# KiCad board 2choc2flat-extmcu-iso-rgb.kicad_pcb (continued)
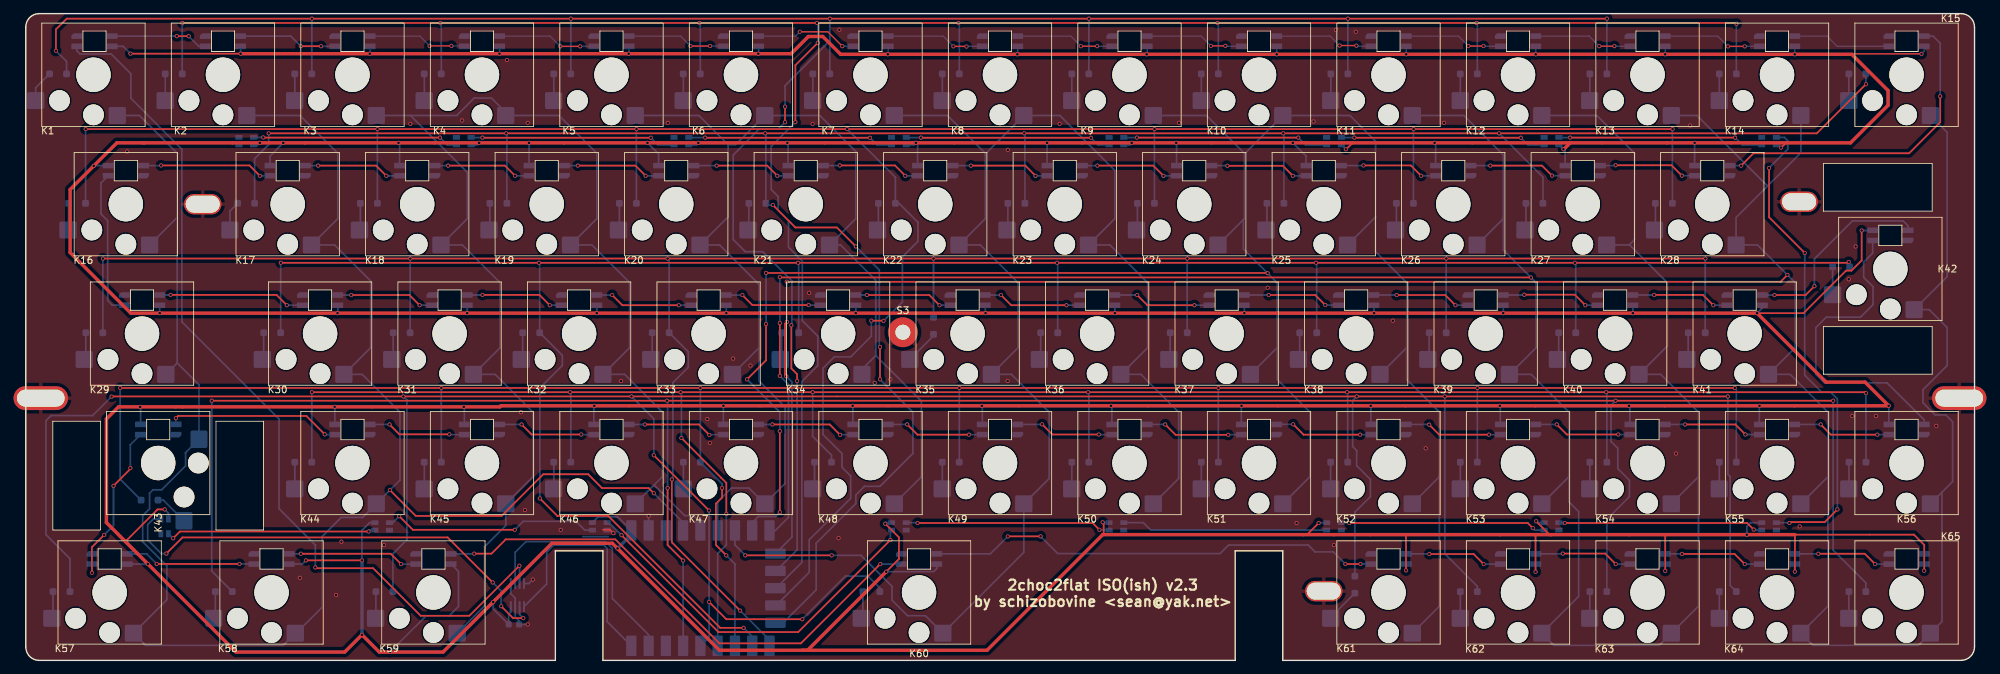
[diagram p0: board, top side]
## Routing (per net, layer and track width the routed paths; a pad name or vN(x,y) marks a point on that pad's centre or on a via; arc(x,y) is an arc through that point) (continued)
Net-(D52-A): length 3.9
  Bottom w0.25: K52.2 191.94,25.26 D52.2
Net-(D53-A): length 3.9
  Bottom w0.25: K53.2 211.01,25.26 D53.2
Net-(D54-A): length 3.9
  Bottom w0.25: K54.2 230.06,25.26 D54.2
Net-(D55-A): length 3.9
  Bottom w0.25: D55.2 249.11,25.26 K55.2
Net-(D56-A): length 3.9
  Bottom w0.25: D56.2 268.18,25.28 K56.2
Net-(D57-A): length 4
  Bottom w0.25: D57.2 4,6.37 K57.2
Net-(D58-A): length 4
  Bottom w0.25: D58.2 27.88,6.43 K58.2
Net-(D59-A): length 3.9
  Bottom w0.25: K59.2 51.5,6.24 D59.2
Net-(D60-A): length 4
  Bottom w0.25: K60.2 123.13,6.43 D60.2
Net-(D61-A): length 5.2
  Bottom w0.25: D61.2 191.95,6.35 K61.2
Net-(D62-A): length 3.9
  Bottom w0.25: K62.2 211.01,6.21 D62.2
Net-(D63-A): length 3.9
  Bottom w0.25: K63.2 230.06,6.21 D63.2
Net-(D64-A): length 3.9
  Bottom w0.25: D64.2 249.11,6.21 K64.2
Net-(D65-A): length 3.9
  Bottom w0.25: D65.2 268.16,6.21 K65.2
Net-(LD1-DOUT): length 14.3
  Top w0.25: v1(22.2,91.88) v1(23.95,91.88)
  Bottom w0.25: 26.4,90.38 25.45,90.38 v1(23.95,91.88) ; LD1.2 22.2,91.88 v1(22.2,91.88)
Net-(LD2-DOUT): length 14.5
  Top w0.25: v1(40.45,90.4) v1(43.42,90.4)
  Bottom w0.25: v1(43.42,90.4) 43.45,90.38 LD3.4 ; v1(40.45,90.4) 38.97,91.88 LD2.2 31.62,91.91
Net-(LD3-DOUT): length 14.5
  Top w0.2: v1(59.4,90.45) v1(62.6,90.45)
  Bottom w0.2: v1(62.6,90.45) 64.43,90.45 LD4.4 ; v1(59.4,90.45) 57.97,91.88 LD3.2
Net-(LD4-DOUT): length 14.5
  Top w0.2: v1(78.62,90.38) v1(81.55,90.38)
  Bottom w0.2: v1(78.62,90.38) 77.12,91.88 69.7,91.88 ; LD5.4 81.55,90.38 v1(81.55,90.38)
Net-(LD5-DOUT): length 14.5
  Top w0.2: v1(97.77,90.43) v1(100.65,90.43)
  Bottom w0.2: LD5.2 96.32,91.88 v1(97.77,90.43) ; LD6.4 102.55,90.43 v1(100.65,90.43)
Net-(LD6-DOUT): length 15
  Top w0.2: v1(120.1,90.4) 117.97,92.53 v1(113.85,92.53)
  Bottom w0.2: LD6.2 113.2,91.88 v1(113.85,92.53) ; v1(120.1,90.4) 120.12,90.38 121.65,90.38
Net-(LD7-DOUT): length 14.5
  Top w0.2: v1(138.38,90.35) 138.35,90.38 v1(136.45,90.38)
  Bottom w0.2: v1(136.45,90.38) 134.95,91.88 LD7.2 ; LD8.4 138.41,90.38 v1(138.38,90.35)
Net-(LD8-DOUT): length 14.5
  Top w0.2: v1(155.2,90.4) v1(157.6,90.4)
  Bottom w0.2: LD8.2 153.72,91.88 v1(155.2,90.4) ; v1(157.6,90.4) 157.62,90.38 159.75,90.38
Net-(LD10-DIN): length 14.5
  Top w0.2: v1(174.33,90.45) v1(176.45,90.45)
  Bottom w0.2: LD9.2 172.9,91.88 v1(174.33,90.45) ; v1(176.45,90.45) 176.52,90.38 LD10.4
Net-(LD10-DOUT): length 14.5
  Top w0.2: v1(195.73,90.48) 195.7,90.5 v1(193.25,90.5)
  Bottom w0.2: v1(195.73,90.48) 195.82,90.38 LD11.4 ; LD10.2 191.87,91.88 v1(193.25,90.5)
Net-(LD11-DOUT): length 14.5
  Top w0.2: v1(212.2,90.43) v1(214.43,90.43)
  Bottom w0.2: v1(214.43,90.43) 214.47,90.38 LD12.4 ; v1(212.2,90.43) 210.75,91.88 LD11.2
Net-(LD12-DOUT): length 14.5
  Top w0.2: v1(231.45,90.4) v1(233.68,90.4)
  Bottom w0.2: v1(233.68,90.4) 233.7,90.38 LD13.4 ; v1(231.45,90.4) 229.97,91.88 222.1,91.88
Net-(LD13-DOUT): length 14.5
  Top w0.2: v1(250.38,90.38) v1(252.85,90.38)
  Bottom w0.2: LD14.4 252.86,90.38 v1(252.85,90.38) ; v1(250.38,90.38) 248.87,91.88 LD13.2
Net-(LD14-DOUT): length 14.5
  Bottom w0.2: LD15.4 266.44,90.38 264.94,91.88 260.2,91.88
Net-(LD15-DOUT): length 48
  Top w0.25: v1(281.6,83.03) 281.6,79.22 277.03,74.64 254.14,74.64 v1(252.32,72.82)
  Bottom w0.25: v1(281.6,83.03) 281.6,90.85 280.57,91.88 279.25,91.88 ; v1(252.32,72.82) 252.31,72.83 LD28.4
Net-(LD16-DIN): length 19.3
  Top w0.25: v1(19.9,72.85) 32.9,72.85 v1(34.42,71.33)
  Bottom w0.25: v1(19.9,72.85) 19.88,72.83 LD16.4 ; v1(34.42,71.33) 35.92,71.33 LD17.2
Net-(LD16-DOUT): length 22
  Bottom w0.25: LD29.4 12.72,52.28 12.05,52.95 12.05,64.7 11.05,65.7 11.05,70.27 LD16.2
Net-(LD17-DIN): length 14.5
  Top w0.25: v1(53.02,71.33) 51.52,72.83 v1(43,72.83)
  Bottom w0.25: LD17.4 42.99,72.83 v1(43,72.83) ; v1(53.02,71.33) 54.97,71.33 LD18.2
Net-(LD18-DIN): length 14.5
  Top w0.25: v1(71.97,71.33) 70.47,72.83 v1(62.12,72.83)
  Bottom w0.25: LD18.4 62.12,72.83 v1(62.12,72.83) ; LD19.2 74.02,71.33 v1(71.97,71.33)
Net-(LD19-DIN): length 14.5
  Top w0.25: v1(81.2,72.83) 89.67,72.83 v1(91.17,71.33)
  Bottom w0.25: v1(81.2,72.83) 81.19,72.83 LD19.4 ; LD20.2 93.07,71.33 v1(91.17,71.33)
Net-(LD20-DIN): length 14.5
  Top w0.25: v1(101.62,72.83) 109.05,72.83 v1(110.55,71.33)
  Bottom w0.25: LD21.2 112.12,71.33 v1(110.55,71.33) ; LD20.4 101.62,72.83 v1(101.62,72.83)
Net-(LD21-DIN): length 14.5
  Top w0.25: v1(129.38,71.33) 127.85,72.85 v1(119.72,72.85)
  Bottom w0.25: LD21.4 119.7,72.83 v1(119.72,72.85) ; v1(129.38,71.33) 131.17,71.33 LD22.2
Net-(LD22-DIN): length 14.5
  Top w0.25: v1(148.53,71.33) 147.03,72.83 v1(139.03,72.83)
  Bottom w0.25: LD23.2 150.22,71.33 v1(148.53,71.33) ; LD22.4 139.02,72.83 v1(139.03,72.83)
Net-(LD23-DIN): length 14.5
  Top w0.25: v1(167.35,71.33) 165.85,72.83 v1(157.62,72.83)
  Bottom w0.25: v1(167.35,71.33) 169.27,71.33 LD24.2 ; v1(157.62,72.83) 157.62,72.83 LD23.4
Net-(LD24-DIN): length 14.5
  Top w0.25: v1(186.38,71.33) 184.9,72.8 v1(176.75,72.8)
  Bottom w0.25: LD25.2 188.32,71.33 v1(186.38,71.33) ; v1(176.75,72.8) 176.72,72.83 LD24.4
Net-(LD25-DIN): length 14.5
  Top w0.25: v1(205.25,71.33) 203.73,72.85 v1(196.78,72.85)
  Bottom w0.25: LD26.2 207.37,71.33 v1(205.25,71.33) ; LD25.4 196.76,72.83 v1(196.78,72.85)
Net-(LD26-DIN): length 14.5
  Top w0.25: v1(224.5,71.35) 223.03,72.83 v1(215.43,72.83)
  Bottom w0.25: v1(215.43,72.83) 215.42,72.83 LD26.4 ; v1(224.5,71.35) 226.41,71.35 LD27.2
Net-(LD27-DIN): length 14.5
  Top w0.25: v1(243.6,71.35) 242.08,72.88 v1(233.85,72.88)
  Bottom w0.25: v1(243.6,71.35) 245.46,71.35 LD28.2 ; v1(233.85,72.88) 233.81,72.83 LD27.4
Net-(LD29-DOUT): length 21.6
  Top w0.25: v1(21.3,53.8) 36.88,53.8 v1(38.4,52.28)
  Bottom w0.25: v1(21.3,53.8) 21.28,53.78 LD29.2 ; LD30.4 40.68,52.28 v1(38.4,52.28)
Net-(LD30-DOUT): length 14.5
  Top w0.25: v1(47.88,53.78) 56.42,53.78 v1(57.92,52.28)
  Bottom w0.25: v1(57.92,52.28) 59.73,52.28 LD31.4 ; v1(47.88,53.78) 47.87,53.78 LD30.2
Net-(LD31-DOUT): length 14.5
  Top w0.25: v1(67.17,53.8) 75.55,53.8 v1(77.08,52.28)
  Bottom w0.25: LD32.4 77.08,52.28 v1(77.08,52.28) ; v1(67.17,53.8) 67.16,53.78 LD31.2
Net-(LD32-DOUT): length 14.5
  Top w0.25: v1(96.05,52.28) 87.75,52.28 v1(86.25,53.78)
  Bottom w0.25: v1(86.25,53.78) 83.99,53.78 LD32.2 ; LD33.4 96.05,52.28 v1(96.05,52.28)
Net-(LD33-DOUT): length 14.5
  Top w0.25: v1(115.15,52.3) 106.88,52.3 v1(105.4,53.78)
  Bottom w0.25: v1(105.4,53.78) 103.04,53.78 LD33.2 ; LD34.4 115.17,52.28 v1(115.15,52.3)
Net-(LD34-DOUT): length 14.5
  Top w0.25: v1(123.72,53.78) 132.9,53.78 v1(134.4,52.28)
  Bottom w0.25: LD35.4 135.93,52.28 v1(134.4,52.28) ; LD34.2 123.72,53.78 v1(123.72,53.78)
Net-(LD35-DOUT): length 14.5
  Top w0.25: v1(143.45,53.78) 144.95,52.28 v1(153.08,52.28)
  Bottom w0.25: v1(153.08,52.28) 153.08,52.28 LD36.4 ; v1(143.45,53.78) 141.14,53.78 LD35.2
Net-(LD36-DOUT): length 14.5
  Top w0.25: v1(171.9,52.28) 164.98,52.28 v1(163.48,53.78)
  Bottom w0.25: v1(163.48,53.78) 163.47,53.78 LD36.2 ; v1(171.9,52.28) 171.91,52.28 LD37.4
Net-(LD37-DOUT): length 14.5
  Top w0.25: v1(182.83,53.78) 189.68,53.78 v1(191.15,52.3)
  Bottom w0.25: v1(182.83,53.78) 182.82,53.78 LD37.2 ; LD38.4 193.07,52.3 v1(191.15,52.3)
Net-(LD38-DOUT): length 14.5
  Top w0.25: v1(210.3,52.28) 208.8,53.78 v1(201.65,53.78)
  Bottom w0.25: v1(201.65,53.78) 201.65,53.78 LD38.2 ; LD39.4 212.13,52.28 v1(210.3,52.28)
Net-(LD39-DOUT): length 14.5
  Top w0.25: v1(220.43,53.83) 227.85,53.83 v1(229.4,52.28)
  Bottom w0.25: v1(229.4,52.28) 231.18,52.28 LD40.4 ; LD39.2 220.38,53.78 v1(220.43,53.83)
Net-(LD40-DOUT): length 14.5
  Top w0.25: v1(248.23,52.28) 246.7,53.8 v1(239.53,53.8)
  Bottom w0.25: v1(239.53,53.8) 239.51,53.78 LD40.2 ; v1(248.23,52.28) 250.23,52.28 LD41.4
Net-(LD41-DOUT): length 29.3
  Top w0.25: v1(263.1,55.08) 261.8,53.78 v1(257.23,53.78)
  Bottom w0.25: v1(263.1,55.08) 263.1,59.1 268.68,64.68 276.16,64.68 276.87,63.97 LD42.4 ; v1(257.23,53.78) 255.44,53.78 LD41.2
Net-(LD42-DOUT): length 46.6
  Bottom w0.25: LD42.2 271.67,59.94 270.35,58.63 270.35,56.38 271.73,55 271.73,52.38 269.86,50.51 264.84,50.51 263.31,48.99 263.31,42.13 264.59,40.86 272.49,40.86 272.5,40.85 273.79,40.85 279.25,35.39 279.25,34.73
Net-(LD43-DIN): length 25.6
  Top w0.25: v1(22.07,35.65) 22.4,35.98 41.27,35.98 v1(43.97,33.28)
  Bottom w0.25: v1(22.07,35.65) LD43.4 ; LD44.2 44.02,33.23 v1(43.97,33.28)
Net-(LD43-DOUT): length 24.6
  Top w0.25: v1(11.53,18.48) 9.73,16.68 v1(9.73,12.9) ; v1(15.38,28.3) 15.38,28.18 v1(12.9,25.7)
  Bottom w0.25: v1(9.73,12.9) 9.73,14.17 LD57.4 ; v1(12.9,25.7) 12.9,19.85 v1(11.53,18.48) ; LD43.2 15.38,31.73 v1(15.38,28.3)
Net-(LD44-DIN): length 14.5
  Top w0.25: v1(53.5,34.73) 54.95,33.28 v1(62.3,33.28)
  Bottom w0.25: v1(53.5,34.73) 53.49,34.73 LD44.4 ; LD45.2 62.34,33.23 v1(62.3,33.28)
Net-(LD45-DIN): length 14.5
  Top w0.25: v1(81.7,33.25) 74.4,33.25 v1(72.92,34.73)
  Bottom w0.25: LD46.2 81.72,33.23 v1(81.7,33.25) ; v1(72.92,34.73) 72.92,34.73 69.7,34.73
Net-(LD46-DIN): length 14.5
  Top w0.25: v1(100.55,33.18) 99,34.73 v1(91.08,34.73)
  Bottom w0.25: v1(100.55,33.18) 100.61,33.23 LD47.2 ; LD46.4 88.75,34.73 v1(91.08,34.73)
Net-(LD47-DIN): length 14.5
  Top w0.25: v1(109.83,34.73) 118.25,34.73 v1(119.77,33.2)
  Bottom w0.25: v1(119.77,33.2) 119.8,33.23 121.65,33.23 ; v1(109.83,34.73) 107.8,34.73 LD47.4
Net-(LD48-DIN): length 14.5
  Top w0.25: v1(129.65,34.73) 131.15,33.23 v1(138.73,33.23)
  Bottom w0.25: LD49.2 138.73,33.23 v1(138.73,33.23) ; LD48.4 129.65,34.73 v1(129.65,34.73)
Net-(LD49-DIN): length 14.5
  Top w0.25: v1(157.83,33.25) 151,33.25 v1(149.5,34.75)
  Bottom w0.25: 159.75,33.23 157.84,33.23 v1(157.83,33.25) ; v1(149.5,34.75) 149.48,34.73 LD49.4
Net-(LD50-DIN): length 14.5
  Top w0.25: v1(176.88,33.2) 169.12,33.2 v1(167.6,34.73)
  Bottom w0.25: LD51.2 176.91,33.23 v1(176.88,33.2) ; LD50.4 167.59,34.73 v1(167.6,34.73)
Net-(LD51-DIN): length 14.5
  Top w0.25: v1(196.28,33.23) 187.95,33.23 v1(186.43,34.75)
  Bottom w0.25: v1(186.43,34.75) 184.02,34.75 LD51.4 ; LD52.2 196.28,33.23 v1(196.28,33.23)
Net-(LD52-DIN): length 14.5
  Top w0.25: v1(215.23,33.23) 207.9,33.23 v1(206.43,34.7)
  Bottom w0.25: LD52.4 206.4,34.73 v1(206.43,34.7) ; v1(215.23,33.23) 215.23,33.23 LD53.2
Net-(LD53-DIN): length 14.5
  Top w0.25: v1(234.25,33.25) 226.68,33.25 v1(225.2,34.73)
  Bottom w0.25: v1(234.25,33.25) 234.27,33.23 LD54.2 ; 222.1,34.73 225.2,34.73 v1(225.2,34.73)
Net-(LD54-DIN): length 14.5
  Top w0.25: v1(244.08,34.73) 251.48,34.73 v1(252.95,33.25)
  Bottom w0.25: LD54.4 244.07,34.73 v1(244.08,34.73) ; v1(252.95,33.25) 254.98,33.25 LD55.2
Net-(LD55-DIN): length 14.5
  Top w0.25: v1(264.03,34.73) 265.53,33.23 v1(272.35,33.23)
  Bottom w0.25: LD55.4 264.02,34.73 v1(264.03,34.73) ; LD56.2 272.36,33.23 v1(272.35,33.23)
Net-(LD57-DOUT): length 19.2
  Top w0.25: v1(19.25,14.2) v1(31.43,14.2)
  Bottom w0.25: v1(19.25,14.2) 17.77,15.68 LD57.2 ; v1(31.43,14.2) 33.52,14.2 LD58.4
Net-(LD58-DOUT): length 19.3
  Top w0.25: v1(55.2,14.18) 53.67,15.7 v1(40.45,15.7)
  Bottom w0.25: v1(55.2,14.18) 57.35,14.18 LD59.4 ; v1(40.45,15.7) 40.43,15.68 LD58.2
Net-(LD59-DOUT): length 78.3
  Top w0.25: v1(125.7,14.18) 125.67,14.18 114.01,2.51 102.02,2.51 86.72,17.81 70.6,17.81 68.5,15.72 v1(65.96,15.72)
  Bottom w0.25: LD59.2 65.92,15.68 v1(65.96,15.72) ; LD60.4 125.7,14.18 v1(125.7,14.18)
Net-(LD60-DOUT): length 67.7
  Top w0.25: v1(194.11,14.19) 196.31,14.19 v1(196.33,14.2) ; v1(149.27,18.26) v1(144.44,18.26)
  Bottom w0.25: v1(196.33,14.2) 197.83,14.2 LD61.4 ; v1(149.27,18.26) 151.8,15.73 175.68,15.73 176.93,16.98 188.65,16.98 189.66,15.97 192.33,15.97 v1(194.11,14.19) ; v1(144.44,18.26) 141.87,15.68 LD60.2
Net-(LD61-DOUT): length 14.5
  Top w0.25: v1(214.45,14.18) 212.98,15.65 v1(206.45,15.65)
  Bottom w0.25: LD62.4 216.9,14.18 v1(214.45,14.18) ; LD61.2 206.42,15.68 v1(206.45,15.65)
Net-(LD62-DOUT): length 14.5
  Top w0.25: v1(226.08,15.73) 232.33,15.73 v1(233.88,14.18)
  Bottom w0.25: v1(226.08,15.73) 226.03,15.68 222.1,15.68 ; v1(233.88,14.18) 235.95,14.18 LD63.4
Net-(LD63-DOUT): length 14.5
  Top w0.25: v1(252.85,14.18) 251.35,15.68 v1(243.62,15.68)
  Bottom w0.25: v1(252.85,14.18) 255,14.18 LD64.4 ; LD63.2 243.62,15.68 v1(243.62,15.68)
Net-(LD64-DOUT): length 14.5
  Top w0.25: v1(263.68,15.7) 270.5,15.7 v1(272.03,14.18)
  Bottom w0.25: LD64.2 263.66,15.68 v1(263.68,15.7) ; v1(272.03,14.18) 274.05,14.18 LD65.4

## Copper pours and planes (outline as drawn; the poured copper is in the pictures)
GND on Top: -0.34,95.47 286.94,95.47 286.94,-0.29 -0.34,-0.29
GND on Bottom: -0.34,95.47 286.94,95.47 286.94,-0.29 -0.34,-0.29

## Text on the board
B.Silkscreen: 2choc2flat ISO(ish) v2.3 / by schizobovine <sean@yak.net>
F.Silkscreen: 2choc2flat ISO(ish) v2.3 / by schizobovine <sean@yak.net>
